# Altium PCB Z693_H93-A_KD01_V1.3_X6.PcbDoc (part 7 of 7)
Units mil, origin at the board's own origin, x right, y up, seen from the top; angles counter-clockwise.
Board outline 6229.44 x 4099.52 mil, 4 copper layers (Top Layer, Mid-Layer 1, Mid-Layer 2, Bottom Layer); 1032 components, 62 nets, 3170 pads, 1350 vias.
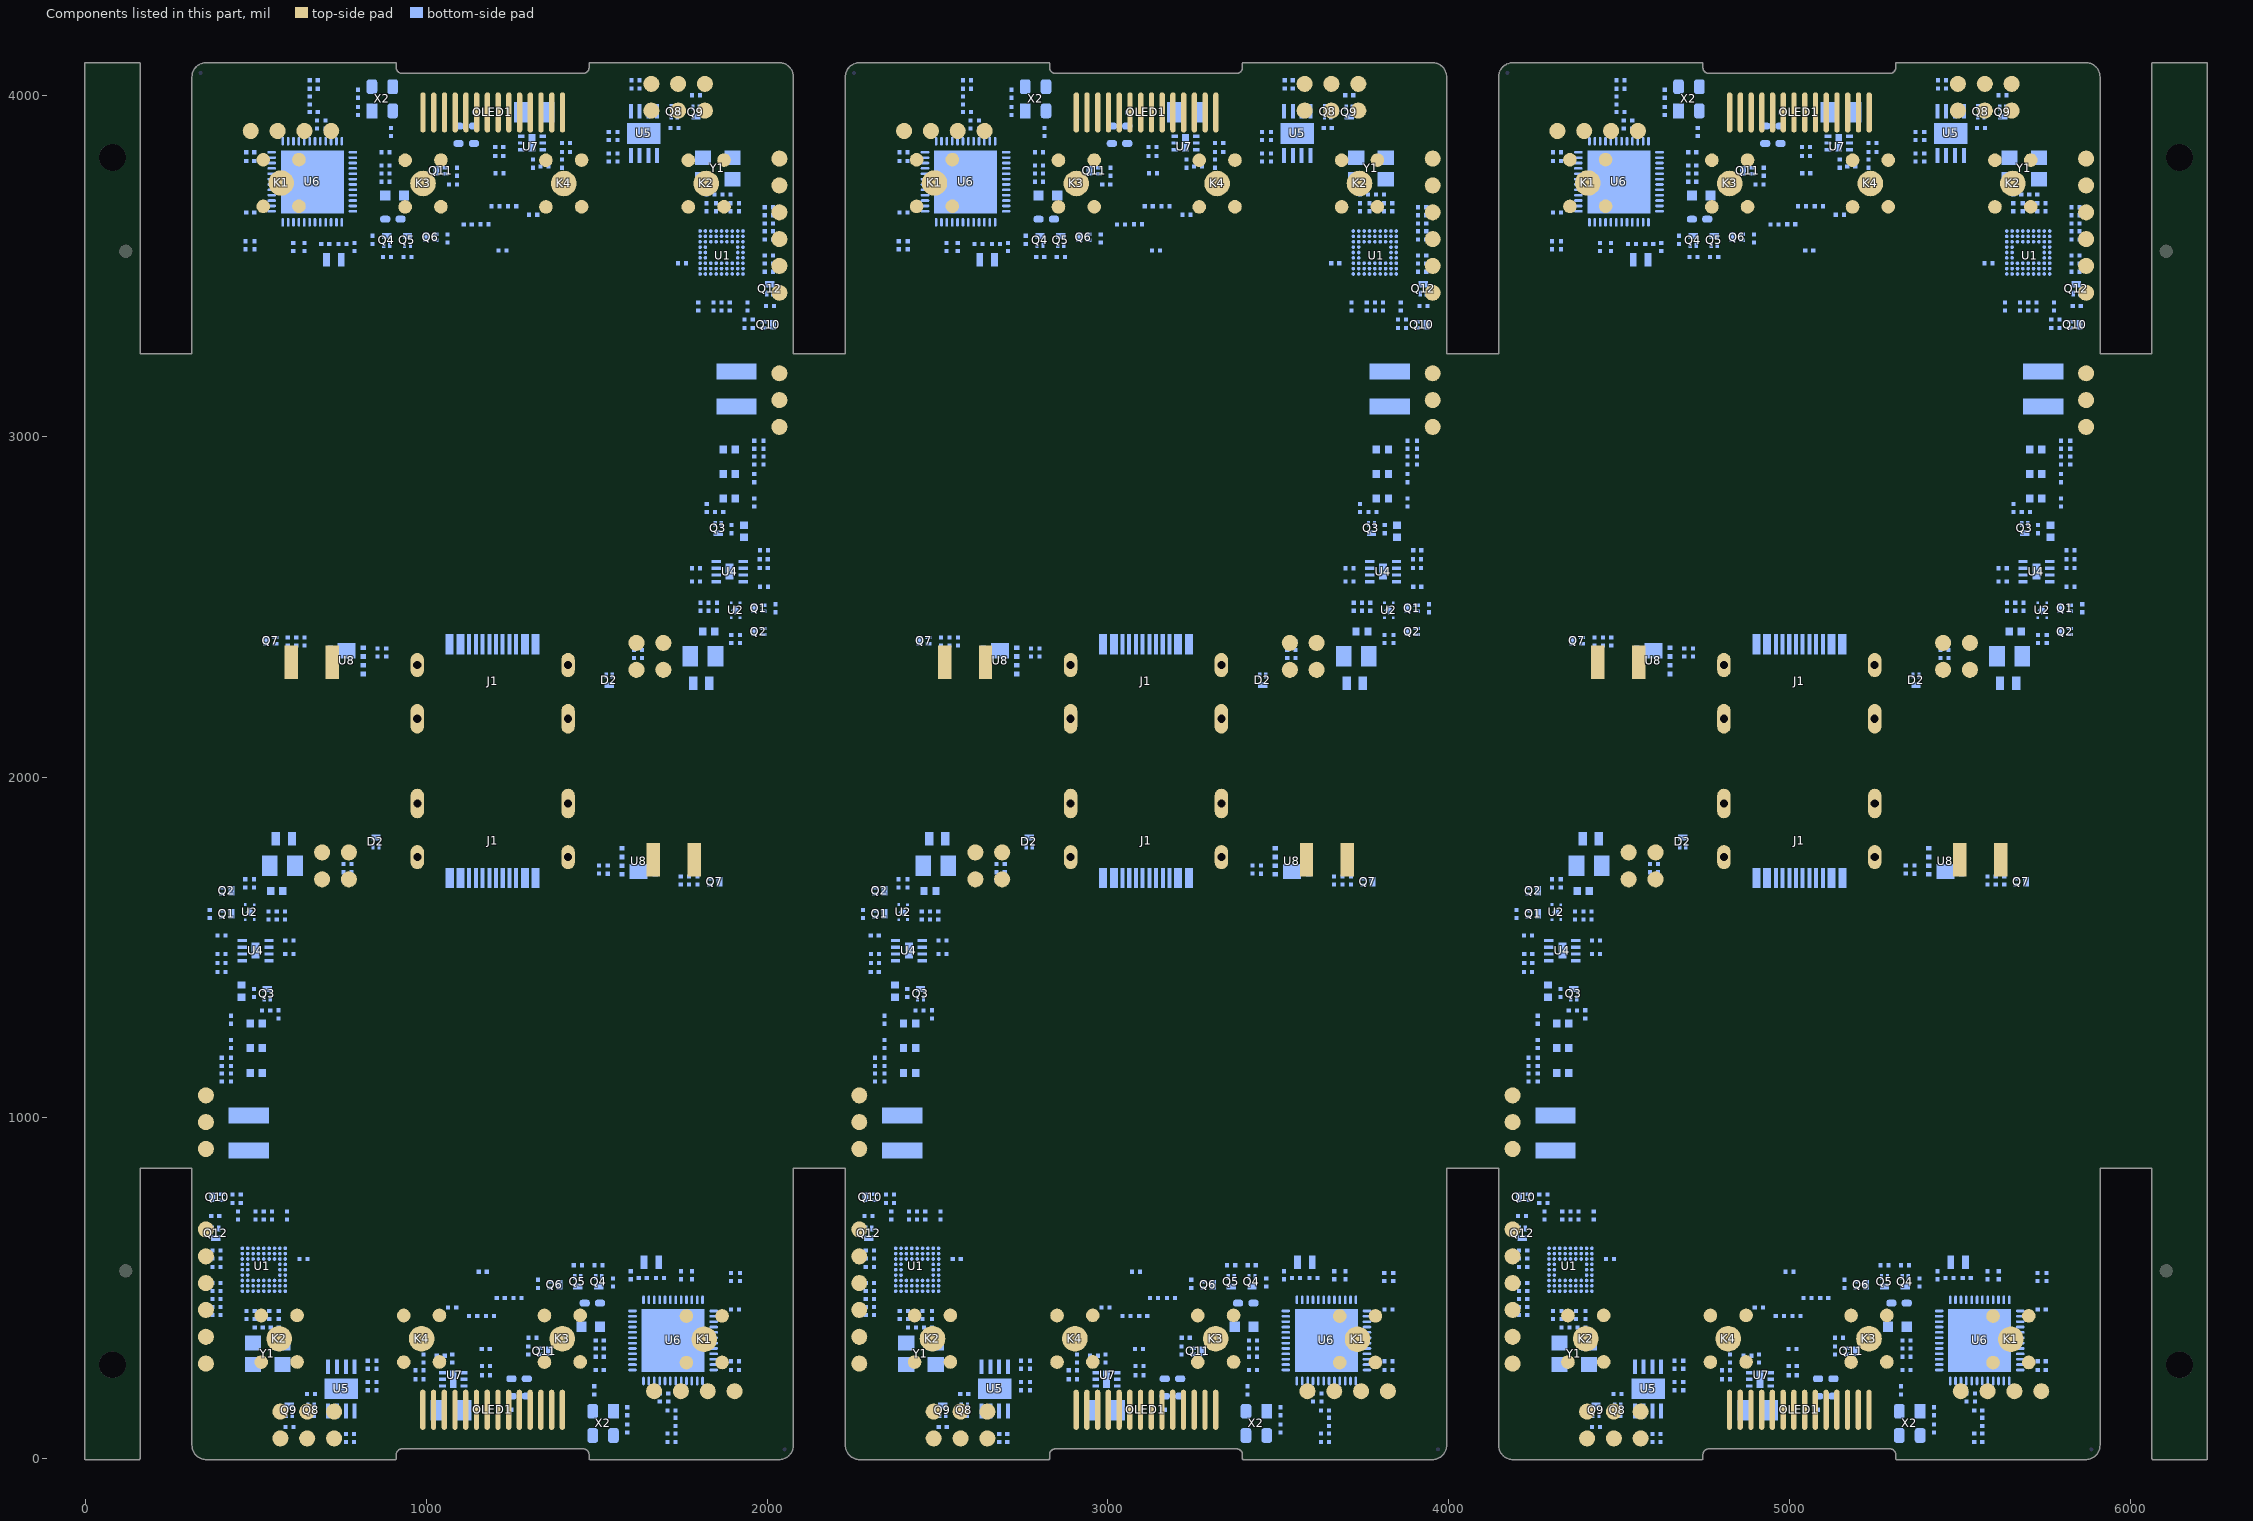
[diagram p9: the components of this part, seen from the top]

## Via types
v1: diameter 15, hole 8, Top Layer to Bottom Layer, tented both sides, 1194 vias
v2: diameter 8, hole 4, Mid-Layer 2 to Bottom Layer, tented bottom, 150 vias
v3: diameter 20, hole 10, Top Layer to Bottom Layer, tented both sides, 6 vias

## Nets (pads, with @x,y where several pads share a name; then routed paths per layer and width w, separated by ;. In a path a pad name is that pad's centre, name@x,y a point inside that pad or via, vN(x,y) a via of type N, cw(c..) or ccw(c..) an arc to the next point about the centre after c; other vN are vias at no path point) (continued)
copper on no net: (continued)
  other v1: 1639.39,77.02 1674.39,77.02 3556.72,77.02 3591.72,77.02 5474.04,77.02 5509.04,77.02 1536.39,188.94 3453.72,188.94 5371.04,188.94 1078.8,240.88 2996.13,240.88 4913.45,240.88 1668.26,297.09 3585.58,297.09 5502.91,297.09 1668.26,322.09 3585.58,322.09 5502.91,322.09 1668.26,347.09 3585.58,347.09 5502.91,347.09 1668.26,372.09 3585.58,372.09 5502.91,372.09 1668.26,397.09 3585.58,397.09 5502.91,397.09 499.39,673.56 2416.72,673.56 4334.04,673.56 479.39,888.32 496.39,888.32 2396.72,888.32 2413.72,888.32 4314.04,888.32 4331.04,888.32 479.39,904.32 496.39,904.32 2396.72,904.32 2413.72,904.32 4314.04,904.32 4331.04,904.32 479.39,920.32 496.39,920.32 2396.72,920.32 2413.72,920.32 4314.04,920.32 4331.04,920.32 479.39,991.06 496.39,991.06 2396.72,991.06 2413.72,991.06 4314.04,991.06 4331.04,991.06 496.39,1007.06 2413.72,1007.06 4331.04,1007.06 479.39,1023.06 496.39,1023.06 2396.72,1023.06 2413.72,1023.06 4314.04,1023.06 4331.04,1023.06 1606.8,1677.88 1623.23,1678.19 1640.23,1678.19 3524.13,1677.88 3540.55,1678.19 3557.55,1678.19 5441.45,1677.88 5457.88,1678.19 5474.88,1678.19 749.54,2416.3 766.54,2416.3 782.96,2416.62 2666.86,2416.3 2683.86,2416.3 2700.28,2416.62 4584.18,2416.3 4601.18,2416.3 4617.61,2416.62 1893.37,3071.43 1910.37,3071.43 3810.69,3071.43 3827.69,3071.43 5728.02,3071.43 5745.02,3071.43 1893.37,3087.43 3810.69,3087.43 5728.02,3087.43 1893.37,3103.43 1910.37,3103.43 3810.69,3103.43 3827.69,3103.43 5728.02,3103.43 5745.02,3103.43 1893.37,3174.17 1910.37,3174.17 3810.69,3174.17 3827.69,3174.17 5728.02,3174.17 5745.02,3174.17 1893.37,3190.17 1910.37,3190.17 3810.69,3190.17 3827.69,3190.17 5728.02,3190.17 5745.02,3190.17 1893.37,3206.17 1910.37,3206.17 3810.69,3206.17 3827.69,3206.17 5728.02,3206.17 5745.02,3206.17 1890.37,3420.93 3807.69,3420.93 5725.02,3420.93 721.5,3697.4 2638.83,3697.4 4556.15,3697.4 721.5,3722.4 2638.83,3722.4 4556.15,3722.4 721.5,3747.4 2638.83,3747.4 4556.15,3747.4 721.5,3772.4 2638.83,3772.4 4556.15,3772.4 721.5,3797.4 2638.83,3797.4 4556.15,3797.4 1310.96,3853.62 3228.28,3853.62 5145.61,3853.62 853.37,3905.55 2770.69,3905.55 4688.02,3905.55 715.37,4017.47 750.37,4017.47 2632.69,4017.47 2667.69,4017.47 4550.02,4017.47 4585.02,4017.47

## Polygon pours and split planes (outlines as drawn)
no net on Mid-Layer 2 "Top Layer-No Net" (solid, remove dead copper, pour order 1000): 2035.43,0 2074.8,41.79 2074.8,1966.09 2035.43,2007.88 354.33,2007.88 314.96,1966.09 314.96,41.79 354.33,0
no net on Mid-Layer 2 "Top Layer-No Net" (solid, remove dead copper, pour order 1000): 3952.76,0 3992.13,41.79 3992.13,1966.09 3952.76,2007.88 2271.65,2007.88 2232.28,1966.09 2232.28,41.79 2271.65,0
no net on Mid-Layer 2 "Top Layer-No Net" (solid, remove dead copper, pour order 1000): 5870.08,0 5909.45,41.79 5909.45,1966.09 5870.08,2007.88 4188.98,2007.88 4149.61,1966.09 4149.61,41.79 4188.98,0
no net on Mid-Layer 2 "Top Layer-No Net" (solid, remove dead copper, pour order 1000): 4188.98,4094.49 4149.61,4052.7 4149.61,2128.4 4188.98,2086.62 5870.08,2086.62 5909.45,2128.4 5909.45,4052.7 5870.08,4094.49
no net on Mid-Layer 2 "Top Layer-No Net" (solid, remove dead copper, pour order 1000): 2271.65,4094.49 2232.28,4052.7 2232.28,2128.4 2271.65,2086.62 3952.76,2086.62 3992.13,2128.4 3992.13,4052.7 3952.76,4094.49
no net on Mid-Layer 2 "Top Layer-No Net" (solid, remove dead copper, pour order 1000): 354.33,4094.49 314.96,4052.7 314.96,2128.4 354.33,2086.62 2035.43,2086.62 2074.8,2128.4 2074.8,4052.7 2035.43,4094.49

## Keep-outs
Keep-Out Layer:
  circle w5: c399.61,170.87 r23.62
  circle w5: c448.43,1818.9 r23.62
  circle w5: c1990.16,170.87 r23.62
  circle w5: c1941.34,1818.9 r23.62
  circle w5: c2316.93,170.87 r23.62
  circle w5: c2365.75,1818.9 r23.62
  circle w5: c3907.48,170.87 r23.62
  circle w5: c3858.66,1818.9 r23.62
  circle w5: c4234.25,170.87 r23.62
  circle w5: c4283.07,1818.9 r23.62
  circle w5: c5824.81,170.87 r23.62
  circle w5: c5775.99,1818.9 r23.62
  circle w5: c5824.81,3923.62 r23.62
  circle w5: c5775.99,2275.59 r23.62
  circle w5: c4234.25,3923.62 r23.62
  circle w5: c4283.07,2275.59 r23.62
  circle w5: c3907.48,3923.62 r23.62
  circle w5: c3858.66,2275.59 r23.62
  circle w5: c2316.93,3923.62 r23.62
  circle w5: c2365.75,2275.59 r23.62
  circle w5: c1990.16,3923.62 r23.62
  circle w5: c1941.34,2275.59 r23.62
  circle w5: c399.61,3923.62 r23.62
  circle w5: c448.43,2275.59 r23.62
  lines w5: 314.96,854.33 157.48,854.33 157.48,0 0,0 0,4094.49 157.48,4094.49 157.48,3240.16 314.96,3240.16 ; 314.96,1326.77 157.48,1326.77 157.48,2767.72 314.96,2767.72 ; 2074.8,854.33 2232.28,854.33 ; 2074.8,1326.77 2232.28,1326.77 ; 2074.8,2767.72 2232.28,2767.72 ; 2074.8,3240.16 2232.28,3240.16 ; 3992.13,854.33 4149.61,854.33 ; 3992.13,1326.77 4149.61,1326.77 ; 3992.13,2767.72 4149.61,2767.72 ; 3992.13,3240.16 4149.61,3240.16 ; 5909.45,854.33 6066.93,854.33 6066.93,0 6224.41,0 6224.41,4094.49 6066.93,4094.49 6066.93,3240.16 5909.45,3240.16 ; 5909.45,1326.77 6066.93,1326.77 6066.93,2767.72 5909.45,2767.72 ; 314.96,39.37 ccw(c354.33,39.37) 354.33,0 909.45,0 909.45,11.81 cw(c929.13,11.81) 929.13,31.5 1460.63,31.5 cw(c1460.63,11.81) 1480.32,11.81 1480.32,0 2035.43,0 ccw(c2035.43,39.37) 2074.8,39.37 2074.8,1852.36 ccw(c2035.43,1852.36) 2035.43,1891.73 1530.47,1891.73 cw(c1530.47,1931.1) 1493.47,1917.64 1460.63,2007.88 1376.77,2007.88 1376.77,1744.1 cw(c1366.93,1744.1) 1357.09,1744.1 1032.68,1744.1 cw(c1022.84,1744.1) 1012.99,1744.1 1012.99,2007.88 929.13,2007.88 896.29,1917.64 cw(c859.29,1931.1) 859.29,1891.73 354.33,1891.73 ccw(c354.33,1852.36) 314.96,1852.36 314.96,39.37 ; 314.96,2242.13 ccw(c354.33,2242.13) 354.33,2202.76 859.29,2202.76 cw(c859.29,2163.39) 896.29,2176.85 929.13,2086.62 1012.99,2086.62 1012.99,2350.4 cw(c1022.84,2350.4) 1032.68,2350.4 1357.09,2350.4 cw(c1366.93,2350.4) 1376.77,2350.4 1376.77,2086.62 1460.63,2086.62 1493.47,2176.85 cw(c1530.47,2163.39) 1530.47,2202.76 2035.43,2202.76 ccw(c2035.43,2242.13) 2074.8,2242.13 2074.8,4055.12 ccw(c2035.43,4055.12) 2035.43,4094.49 1480.32,4094.49 1480.32,4082.68 cw(c1460.63,4082.68) 1460.63,4062.99 929.13,4062.99 cw(c929.13,4082.68) 909.45,4082.68 909.45,4094.49 354.33,4094.49 ccw(c354.33,4055.12) 314.96,4055.12 314.96,2242.13 ; 442.91,2496.06 ccw(c462.6,2496.06) 462.6,2476.38 1690.95,2476.38 ccw(c1690.95,2496.06) 1710.63,2496.06 1710.63,2744.1 ccw(c1710.63,2783.47) 1750,2783.47 1750,3216.54 ccw(c1710.63,3216.54) 1710.63,3255.91 1710.63,3409.45 ccw(c1690.95,3409.45) 1690.95,3429.14 1441.73,3429.14 ccw(c1402.56,3425.2) 1402.56,3464.57 1244.69,3464.57 ccw(c1244.69,3425.2) 1205.51,3429.14 1055.12,3429.14 1055.12,3466.54 ccw(c1005.91,3466.54) 956.69,3466.54 956.69,3429.14 462.6,3429.14 ccw(c462.6,3409.45) 442.91,3409.45 442.91,2496.06 ; 639.76,877.95 ccw(c679.13,877.95) 679.13,838.58 679.13,685.04 ccw(c698.82,685.04) 698.82,665.35 948.03,665.35 ccw(c987.2,669.29) 987.2,629.92 1145.08,629.92 ccw(c1145.08,669.29) 1184.25,665.35 1334.65,665.35 1334.65,627.95 ccw(c1383.86,627.95) 1433.07,627.95 1433.07,665.35 1927.17,665.35 ccw(c1927.17,685.04) 1946.85,685.04 1946.85,1598.43 ccw(c1927.17,1598.43) 1927.17,1618.11 698.82,1618.11 ccw(c698.82,1598.43) 679.13,1598.43 679.13,1350.39 ccw(c679.13,1311.02) 639.76,1311.02 639.76,877.95 ; 2232.28,39.37 ccw(c2271.65,39.37) 2271.65,0 2826.77,0 2826.77,11.81 cw(c2846.46,11.81) 2846.46,31.5 3377.95,31.5 cw(c3377.95,11.81) 3397.64,11.81 3397.64,0 3952.76,0 ccw(c3952.76,39.37) 3992.13,39.37 3992.13,1852.36 ccw(c3952.76,1852.36) 3952.76,1891.73 3447.79,1891.73 cw(c3447.79,1931.1) 3410.8,1917.64 3377.95,2007.88 3294.1,2007.88 3294.1,1744.1 cw(c3284.25,1744.1) 3274.41,1744.1 2950,1744.1 cw(c2940.16,1744.1) 2930.32,1744.1 2930.32,2007.88 2846.46,2007.88 2813.61,1917.64 cw(c2776.62,1931.1) 2776.62,1891.73 2271.65,1891.73 ccw(c2271.65,1852.36) 2232.28,1852.36 2232.28,39.37 ; 2232.28,2242.13 ccw(c2271.65,2242.13) 2271.65,2202.76 2776.62,2202.76 cw(c2776.62,2163.39) 2813.61,2176.85 2846.46,2086.62 2930.32,2086.62 2930.32,2350.4 cw(c2940.16,2350.4) 2950,2350.4 3274.41,2350.4 cw(c3284.25,2350.4) 3294.1,2350.4 3294.1,2086.62 3377.95,2086.62 3410.8,2176.85 cw(c3447.79,2163.39) 3447.79,2202.76 3952.76,2202.76 ccw(c3952.76,2242.13) 3992.13,2242.13 3992.13,4055.12 ccw(c3952.76,4055.12) 3952.76,4094.49 3397.64,4094.49 3397.64,4082.68 cw(c3377.95,4082.68) 3377.95,4062.99 2846.46,4062.99 cw(c2846.46,4082.68) 2826.77,4082.68 2826.77,4094.49 2271.65,4094.49 ccw(c2271.65,4055.12) 2232.28,4055.12 2232.28,2242.13 ; 2360.24,2496.06 ccw(c2379.92,2496.06) 2379.92,2476.38 3608.27,2476.38 ccw(c3608.27,2496.06) 3627.95,2496.06 3627.95,2744.1 ccw(c3627.95,2783.47) 3667.32,2783.47 3667.32,3216.54 ccw(c3627.95,3216.54) 3627.95,3255.91 3627.95,3409.45 ccw(c3608.27,3409.45) 3608.27,3429.14 3359.06,3429.14 ccw(c3319.88,3425.2) 3319.88,3464.57 3162.01,3464.57 ccw(c3162.01,3425.2) 3122.84,3429.14 2972.44,3429.14 2972.44,3466.54 ccw(c2923.23,3466.54) 2874.02,3466.54 2874.02,3429.14 2379.92,3429.14 ccw(c2379.92,3409.45) 2360.24,3409.45 2360.24,2496.06 ; 2557.09,877.95 ccw(c2596.46,877.95) 2596.46,838.58 2596.46,685.04 ccw(c2616.14,685.04) 2616.14,665.35 2865.36,665.35 ccw(c2904.53,669.29) 2904.53,629.92 3062.4,629.92 ccw(c3062.4,669.29) 3101.58,665.35 3251.97,665.35 3251.97,627.95 ccw(c3301.18,627.95) 3350.4,627.95 3350.4,665.35 3844.49,665.35 ccw(c3844.49,685.04) 3864.18,685.04 3864.18,1598.43 ccw(c3844.49,1598.43) 3844.49,1618.11 2616.14,1618.11 ccw(c2616.14,1598.43) 2596.46,1598.43 2596.46,1350.39 ccw(c2596.46,1311.02) 2557.09,1311.02 2557.09,877.95 ; 4149.61,39.37 ccw(c4188.98,39.37) 4188.98,0 4744.1,0 4744.1,11.81 cw(c4763.78,11.81) 4763.78,31.5 5295.28,31.5 cw(c5295.28,11.81) 5314.96,11.81 5314.96,0 5870.08,0 ccw(c5870.08,39.37) 5909.45,39.37 5909.45,1852.36 ccw(c5870.08,1852.36) 5870.08,1891.73 5365.12,1891.73 cw(c5365.12,1931.1) 5328.12,1917.64 5295.28,2007.88 5211.42,2007.88 5211.42,1744.1 cw(c5201.58,1744.1) 5191.74,1744.1 4867.33,1744.1 cw(c4857.48,1744.1) 4847.64,1744.1 4847.64,2007.88 4763.78,2007.88 4730.94,1917.64 cw(c4693.94,1931.1) 4693.94,1891.73 4188.98,1891.73 ccw(c4188.98,1852.36) 4149.61,1852.36 4149.61,39.37 ; 4149.61,2242.13 ccw(c4188.98,2242.13) 4188.98,2202.76 4693.94,2202.76 cw(c4693.94,2163.39) 4730.94,2176.85 4763.78,2086.62 4847.64,2086.62 4847.64,2350.4 cw(c4857.48,2350.4) 4867.33,2350.4 5191.74,2350.4 cw(c5201.58,2350.4) 5211.42,2350.4 5211.42,2086.62 5295.28,2086.62 5328.12,2176.85 cw(c5365.12,2163.39) 5365.12,2202.76 5870.08,2202.76 ccw(c5870.08,2242.13) 5909.45,2242.13 5909.45,4055.12 ccw(c5870.08,4055.12) 5870.08,4094.49 5314.96,4094.49 5314.96,4082.68 cw(c5295.28,4082.68) 5295.28,4062.99 4763.78,4062.99 cw(c4763.78,4082.68) 4744.1,4082.68 4744.1,4094.49 4188.98,4094.49 ccw(c4188.98,4055.12) 4149.61,4055.12 4149.61,2242.13 ; 4277.56,2496.06 ccw(c4297.25,2496.06) 4297.25,2476.38 5525.59,2476.38 ccw(c5525.59,2496.06) 5545.28,2496.06 5545.28,2744.1 ccw(c5545.28,2783.47) 5584.65,2783.47 5584.65,3216.54 ccw(c5545.28,3216.54) 5545.28,3255.91 5545.28,3409.45 ccw(c5525.59,3409.45) 5525.59,3429.14 5276.38,3429.14 ccw(c5237.21,3425.2) 5237.21,3464.57 5079.33,3464.57 ccw(c5079.33,3425.2) 5040.16,3429.14 4889.77,3429.14 4889.77,3466.54 ccw(c4840.55,3466.54) 4791.34,3466.54 4791.34,3429.14 4297.25,3429.14 ccw(c4297.25,3409.45) 4277.56,3409.45 4277.56,2496.06 ; 4474.41,877.95 ccw(c4513.78,877.95) 4513.78,838.58 4513.78,685.04 ccw(c4533.47,685.04) 4533.47,665.35 4782.68,665.35 ccw(c4821.85,669.29) 4821.85,629.92 4979.73,629.92 ccw(c4979.73,669.29) 5018.9,665.35 5169.29,665.35 5169.29,627.95 ccw(c5218.51,627.95) 5267.72,627.95 5267.72,665.35 5761.81,665.35 ccw(c5761.81,685.04) 5781.5,685.04 5781.5,1598.43 ccw(c5761.81,1598.43) 5761.81,1618.11 4533.47,1618.11 ccw(c4533.47,1598.43) 4513.78,1598.43 4513.78,1350.39 ccw(c4513.78,1311.02) 4474.41,1311.02 4474.41,877.95

## Other copper
Top Layer:
  pour cut-out: 1708.26,0 1708.26,141.99 2074.8,141.99 2074.8,0
  pour cut-out: 3625.58,0 3625.58,141.99 3992.13,141.99 3992.13,0
  pour cut-out: 5542.91,0 5542.91,141.99 5909.45,141.99 5909.45,0
  pour cut-out: 4516.15,4094.49 4516.15,3952.51 4149.61,3952.51 4149.61,4094.49
  pour cut-out: 2598.83,4094.49 2598.83,3952.51 2232.28,3952.51 2232.28,4094.49
  pour cut-out: 681.5,4094.49 681.5,3952.51 314.96,3952.51 314.96,4094.49
Mid-Layer 2:
  pour cut-out: 1811.8,139.88 1811.88,139.95 1811.88,167.44 1785.88,167.44 1785.8,167.36 1785.8,139.88
  pour cut-out: 2074.8,1891.73 2074.8,1684.42 1672.23,1684.42 1672.23,1891.73
  pour cut-out: 2074.8,610.56 1946.85,610.56 1946.85,1891.73 2074.8,1891.73
  pour cut-out: 2074.8,468.56 2074.8,657.48 1780.41,657.48 1780.41,468.56
  pour cut-out: 2074.8,0 2074.8,141.99 1708.26,141.99 1708.26,0
  pour cut-out: 1422.13,395.88 1255.45,562.56 1255.45,395.88
  pour cut-out: 3729.13,139.88 3729.21,139.95 3729.21,167.44 3703.21,167.44 3703.13,167.36 3703.13,139.88
  pour cut-out: 3992.13,1891.73 3992.13,1684.42 3589.55,1684.42 3589.55,1891.73
  pour cut-out: 3992.13,610.56 3864.18,610.56 3864.18,1891.73 3992.13,1891.73
  pour cut-out: 3992.13,468.56 3992.13,657.48 3697.73,657.48 3697.73,468.56
  pour cut-out: 3992.13,0 3992.13,141.99 3625.58,141.99 3625.58,0
  pour cut-out: 3339.46,395.88 3172.77,562.56 3172.77,395.88
  pour cut-out: 5646.45,139.88 5646.53,139.95 5646.53,167.44 5620.53,167.44 5620.45,167.36 5620.45,139.88
  pour cut-out: 5909.45,1891.73 5909.45,1684.42 5506.88,1684.42 5506.88,1891.73
  pour cut-out: 5909.45,610.56 5781.5,610.56 5781.5,1891.73 5909.45,1891.73
  pour cut-out: 5909.45,468.56 5909.45,657.48 5615.06,657.48 5615.06,468.56
  pour cut-out: 5909.45,0 5909.45,141.99 5542.91,141.99 5542.91,0
  pour cut-out: 5256.78,395.88 5090.1,562.56 5090.1,395.88
  pour cut-out: 4412.61,3954.62 4412.53,3954.54 4412.53,3927.05 4438.53,3927.05 4438.61,3927.13 4438.61,3954.62
  pour cut-out: 4149.61,2202.76 4149.61,2410.07 4552.18,2410.07 4552.18,2202.76
  pour cut-out: 4149.61,3483.93 4277.56,3483.93 4277.56,2202.76 4149.61,2202.76
  pour cut-out: 4149.61,3625.93 4149.61,3437.01 4444,3437.01 4444,3625.93
  pour cut-out: 4149.61,4094.49 4149.61,3952.51 4516.15,3952.51 4516.15,4094.49
  pour cut-out: 4802.28,3698.62 4968.96,3531.93 4968.96,3698.62
  pour cut-out: 2495.28,3954.62 2495.21,3954.54 2495.21,3927.05 2521.21,3927.05 2521.28,3927.13 2521.28,3954.62
  pour cut-out: 2232.28,2202.76 2232.28,2410.07 2634.86,2410.07 2634.86,2202.76
  pour cut-out: 2232.28,3483.93 2360.24,3483.93 2360.24,2202.76 2232.28,2202.76
  pour cut-out: 2232.28,3625.93 2232.28,3437.01 2526.68,3437.01 2526.68,3625.93
  pour cut-out: 2232.28,4094.49 2232.28,3952.51 2598.83,3952.51 2598.83,4094.49
  pour cut-out: 2884.95,3698.62 3051.64,3531.93 3051.64,3698.62
  pour cut-out: 577.96,3954.62 577.88,3954.54 577.88,3927.05 603.88,3927.05 603.96,3927.13 603.96,3954.62
  pour cut-out: 314.96,2202.76 314.96,2410.07 717.54,2410.07 717.54,2202.76
  pour cut-out: 314.96,3483.93 442.91,3483.93 442.91,2202.76 314.96,2202.76
  pour cut-out: 314.96,3625.93 314.96,3437.01 609.36,3437.01 609.36,3625.93
  pour cut-out: 314.96,4094.49 314.96,3952.51 681.5,3952.51 681.5,4094.49
  pour cut-out: 967.63,3698.62 1134.31,3531.93 1134.31,3698.62
Bottom Layer:
  region: 1649.8,1723.19 1596.8,1723.19 1596.8,1665.36 1649.8,1665.36
  region: 3567.13,1723.19 3514.13,1723.19 3514.13,1665.36 3567.13,1665.36
  region: 5484.45,1723.19 5431.45,1723.19 5431.45,1665.36 5484.45,1665.36
  rectangle: 4574.61,2371.3 4627.61,2429.14
  rectangle: 2657.28,2371.3 2710.28,2429.14
  rectangle: 739.96,2371.3 792.96,2429.14
  pour cut-out: 2074.8,0 2074.8,141.99 1708.26,141.99 1708.26,0
  pour cut-out: 3992.13,0 3992.13,141.99 3625.58,141.99 3625.58,0
  pour cut-out: 5909.45,0 5909.45,141.99 5542.91,141.99 5542.91,0
  pour cut-out: 4149.61,4094.49 4149.61,3952.51 4516.15,3952.51 4516.15,4094.49
  pour cut-out: 2232.28,4094.49 2232.28,3952.51 2598.83,3952.51 2598.83,4094.49
  pour cut-out: 314.96,4094.49 314.96,3952.51 681.5,3952.51 681.5,4094.49

## Silkscreen, mask and mechanical layers (free items; w line width, h text height)
Top Overlay:
  lines w5: 411.42,234.65 411.42,470.87 1978.35,470.87 1978.35,234.65 411.42,234.65 ; 411.42,3623.62 411.42,3859.84 1978.35,3859.84 1978.35,3623.62 411.42,3623.62 ; 913.8,146.86 916.8,146.86 919.81,150.44 919.81,154.52 916.8,150.95 916.8,170.88 913.8,170.88 913.8,146.86 ; 1469.96,3939.97 1469.96,3944.05 1472.96,3947.63 1475.96,3947.63 1475.96,3923.62 1472.96,3923.62 1472.96,3943.54 1469.96,3939.97 ; 2328.74,234.65 2328.74,470.87 3895.67,470.87 3895.67,234.65 2328.74,234.65 ; 2328.74,3623.62 2328.74,3859.84 3895.67,3859.84 3895.67,3623.62 2328.74,3623.62 ; 2831.13,146.86 2834.13,146.86 2837.13,150.44 2837.13,154.52 2834.13,150.95 2834.13,170.88 2831.13,170.88 2831.13,146.86 ; 3387.28,3939.97 3387.28,3944.05 3390.28,3947.63 3393.29,3947.63 3393.29,3923.62 3390.28,3923.62 3390.28,3943.54 3387.28,3939.97 ; 4246.07,234.65 4246.07,470.87 5813,470.87 5813,234.65 4246.07,234.65 ; 4246.07,3623.62 4246.07,3859.84 5813,3859.84 5813,3623.62 4246.07,3623.62 ; 4748.45,146.86 4751.45,146.86 4754.45,150.44 4754.45,154.52 4751.45,150.95 4751.45,170.88 4748.45,170.88 4748.45,146.86 ; 5304.61,3939.97 5304.61,3944.05 5307.61,3947.63 5310.61,3947.63 5310.61,3923.62 5307.61,3923.62 5307.61,3943.54 5304.61,3939.97
Bottom Overlay:
  drawing of 558 lines, arcs and shapes, not listed
  text "-" at 1786.39,3168.49 h59 r270
  text "-" at 3703.71,3168.49 h59 r270
  text "-" at 5621.03,3168.49 h59 r270
  text "+" at 1785.88,3067.49 h59 r270
  text "+" at 3703.21,3067.49 h59 r270
  text "+" at 5620.53,3067.49 h59 r270
  text "+" at 603.88,1027 h59 r90
  text "+" at 2521.21,1027 h59 r90
  text "+" at 4438.53,1027 h59 r90
  text "-" at 603.38,926 h59 r90
  text "-" at 2520.7,926 h59 r90
  text "-" at 4438.03,926 h59 r90
Mechanical 2:
  drawing of 2118 lines, arcs and shapes, not listed
Mechanical 3:
  drawing of 486 lines, arcs and shapes, not listed
Mechanical 5:
  drawing of 180 lines, arcs and shapes, not listed

## Dimensions
0,4094.49 to 6224.41,4094.49 on Top Overlay
6224.41,4094.49 to 6224.41,0 on Top Overlay